# KiCad board ouleetka.kicad_pcb
title: ouleetka; date: 2024-07-26; rev: 0.1; company: nxtk
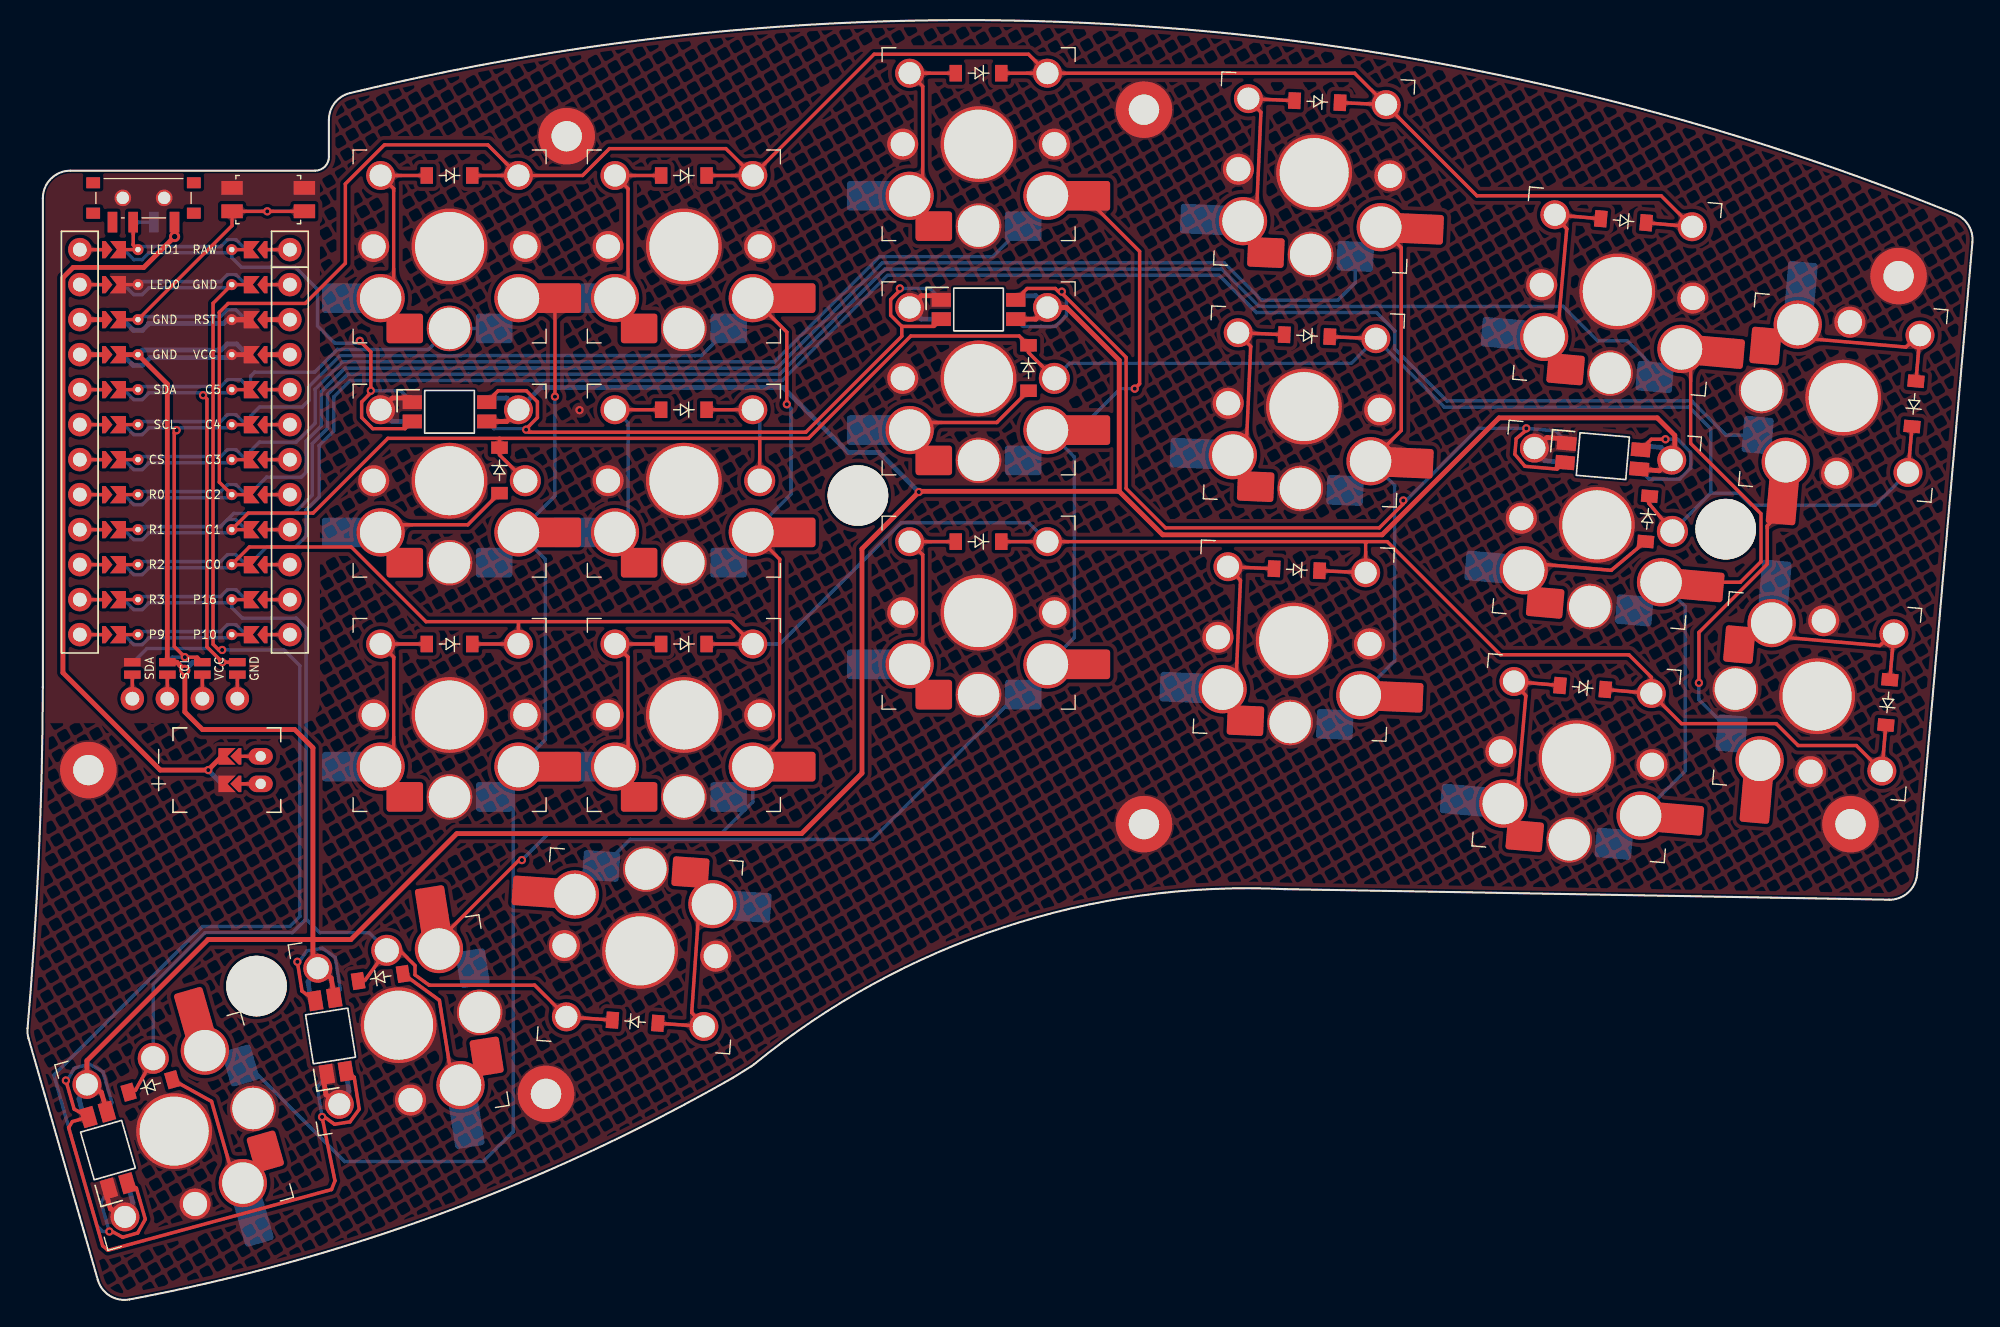
[diagram p0: board, top side]
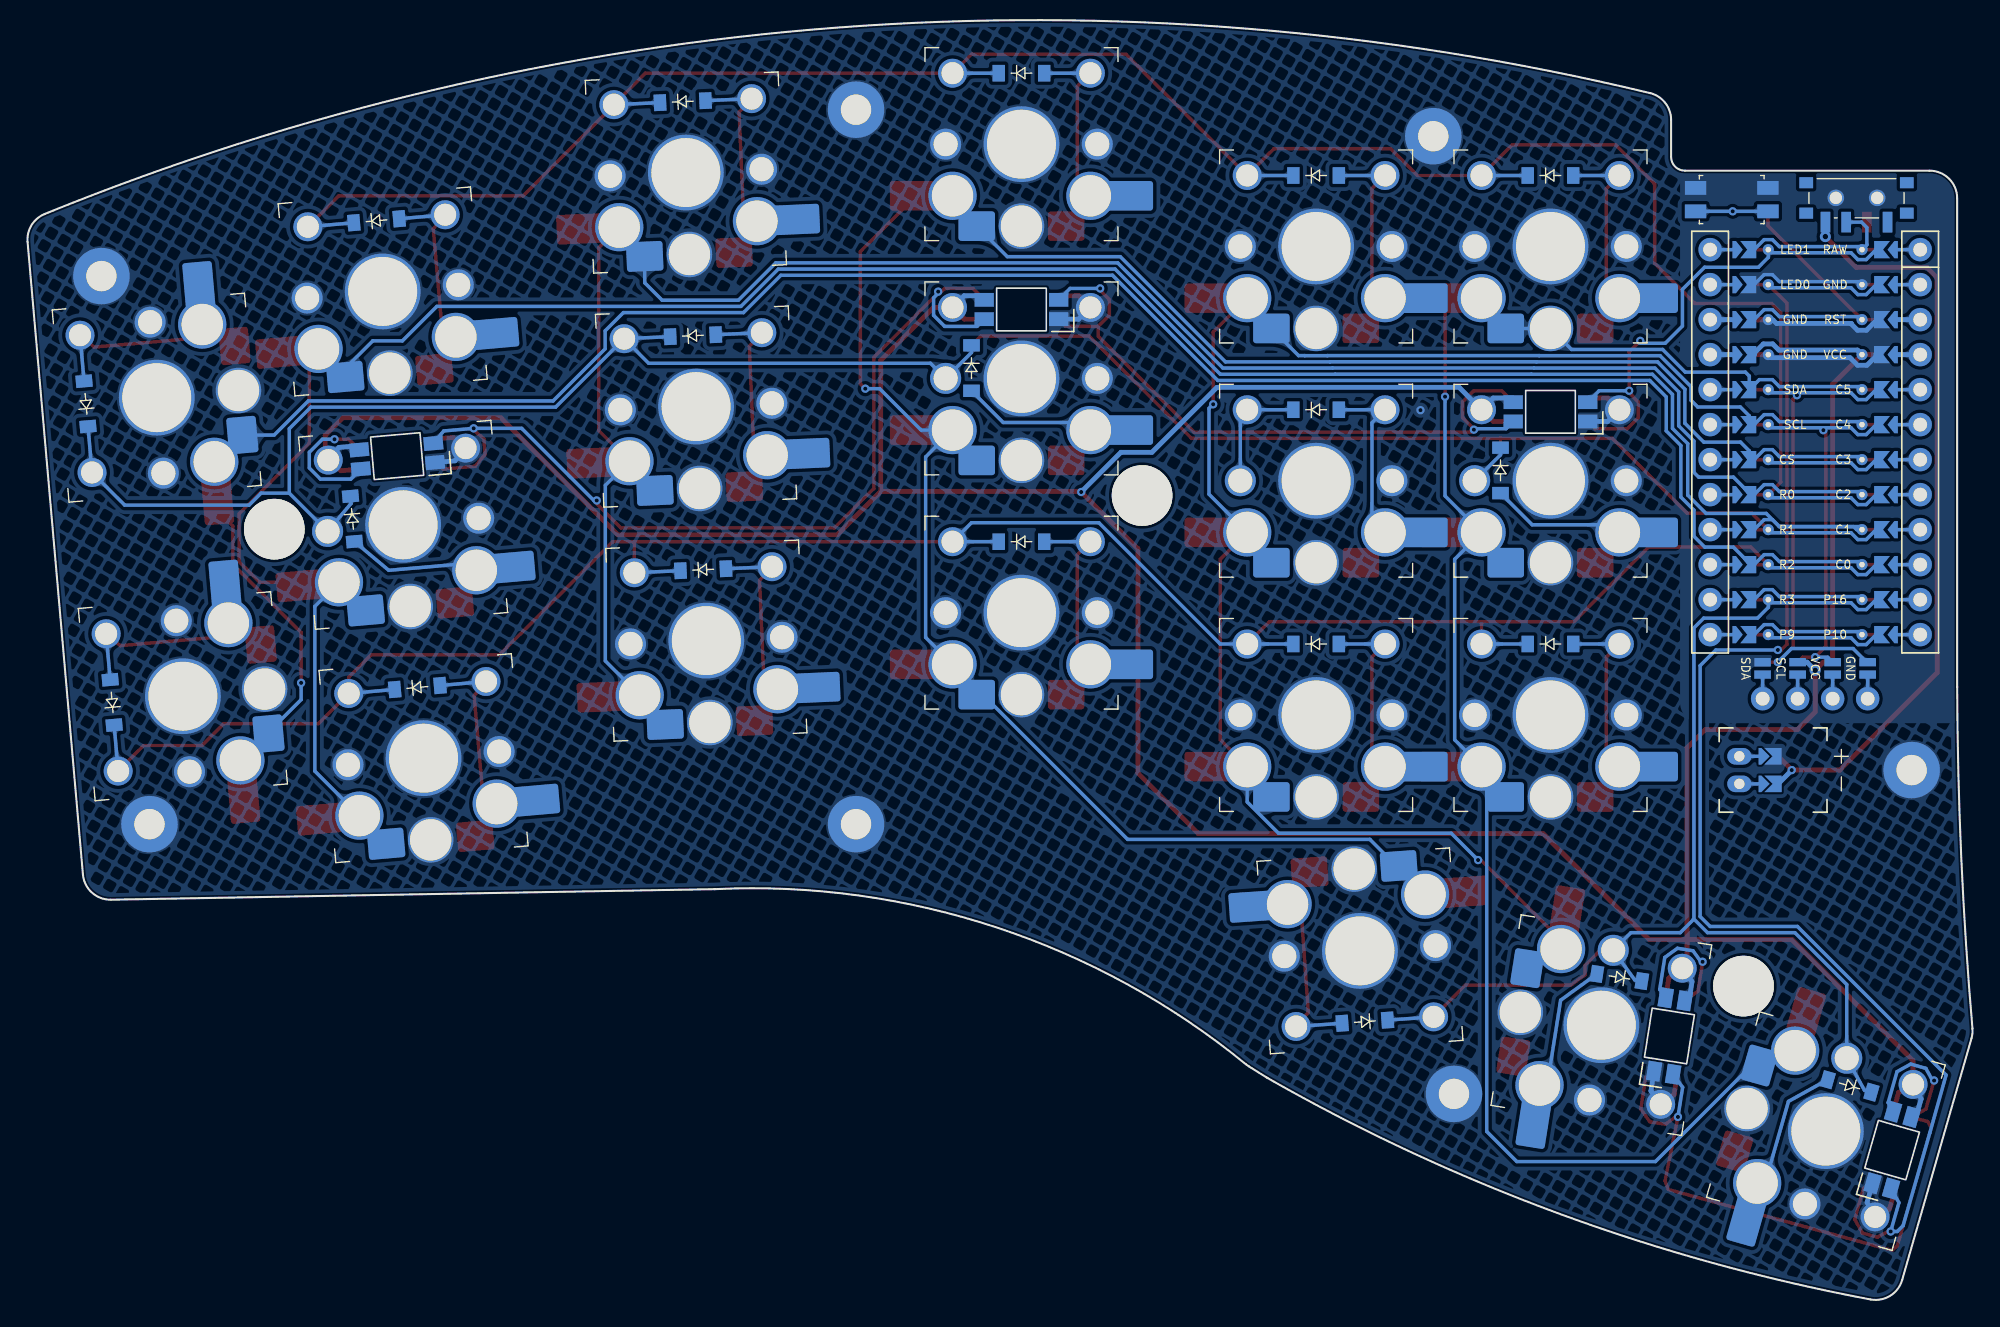
[diagram p1: board, bottom side, seen from below]

Outline 141.1 x 92.88 mm; copper layers: Top, Bottom. Coordinates in mm from the lower left corner of the outline.
Outline path: 91.2,29.81 arc(70.78,27.02) 52.72,17.1 arc(52.62,17.02) 52.51,16.95 51.2,16.13 arc(51.17,16.11) 51.13,16.09 arc(29.94,6.24) 7.4,0.03 arc(5.98,0.29) 5.11,1.44 0.08,18.97 arc(0.01,19.33) 0.01,19.7 arc(0.82,32.06) 1.12,44.45 arc(1.12,44.47) 1.12,44.49 1.12,79.95 arc(1.7,81.36) 3.12,81.95 20.87,81.95 arc(21.58,82.24) 21.87,82.95 21.87,85.63 arc(22.3,86.87) 23.4,87.58 arc(82.32,92.33) 139.85,78.8 arc(140.81,77.99) 141.09,76.77 137.07,30.87 arc(136.42,29.55) 135.05,29.04 91.26,29.8 arc(91.23,29.81) 91.2,29.81
Stack: Top 0.035mm / dielectric 1.51mm FR4 er 4.5 / Bottom 0.035mm

## Placement (name value [footprint] x y rotation side)
D1  -  [diode_tht_sod123]  30.62 47.6 180 top
D2  -  [diode_tht_sod123]  30.62 81.6 180 top
D3  -  [diode_tht_sod123]  47.62 47.6 180 top
D4  -  [diode_tht_sod123]  47.62 64.6 180 top
D5  -  [diode_tht_sod123]  47.62 81.6 180 top
D6  -  [diode_tht_sod123]  68.99 55.02 180 top
D7  -  [diode_tht_sod123]  68.99 89.02 180 top
D8  -  [diode_tht_sod123]  92.08 52.99 177.5 top
D9  -  [diode_tht_sod123]  92.82 69.97 177.5 top
D10  -  [diode_tht_sod123]  93.56 86.96 177.5 top
D11  -  [diode_tht_sod123]  112.82 44.44 175 top
D12  -  [diode_tht_sod123]  115.78 78.31 175 top
D13  -  [diode_tht_sod123]  134.96 43.36 85 top
D14  -  [diode_tht_sod123]  136.85 65.02 85 top
D15  -  [diode_tht_sod123]  44.08 20.19 356 top
D16  -  [diode_tht_sod123]  34.24 60.2 270 top
D17  -  [diode_tht_sod123]  72.62 67.62 270 top
D18  -  [diode_tht_sod123]  117.52 56.68 265 top
D19  -  [diode_tht_sod123]  8.92 15.52 16 top
D20  -  [diode_tht_sod123]  25.62 23.4 9 top
DISP1  -  [display_ssd1306]  11.42 60.33 0 top
JST1  -  [battery_connector_jst_ph_2]  16.92 38.45 270 top
LED1  -  [led_SK6812mini-e (underglow, reversible)]  30.62 64.45 0 bottom
LED2  -  [led_SK6812mini-e (underglow, reversible)]  68.99 71.87 0 bottom
LED3  -  [led_SK6812mini-e (underglow, reversible)]  114.28 61.23 355 bottom
LED4  -  [led_SK6812mini-e (underglow, reversible)]  5.84 10.87 106 bottom
LED5  -  [led_SK6812mini-e (underglow, reversible)]  21.99 19.15 99 bottom
MCU1  -  [mcu_nice_nano]  11.42 63.52 0 top
MH1  -  [mounting_hole_plated]  39.12 84.45 0 top
MH2  -  [mounting_hole_plated]  37.62 14.95 0 top
MH3  -  [mounting_hole_plated]  80.99 86.37 0 top
MH4  -  [mounting_hole_plated]  80.99 34.52 0 top
MH5  -  [mounting_hole_plated]  135.73 74.3 0 top
MH6  -  [mounting_hole_plated]  4.42 38.45 0 top
MH7  -  [mounting_hole_plated]  132.25 34.52 0 top
PWR1  -  [power_switch_smd_side]  8.42 79.95 90 top
RST1  -  [reset_switch_smd_side]  17.47 79.85 0 top
S1  -  [switch_choc_v1_v2#2]  47.62 42.45 180 bottom
S2  -  [switch_choc_v1_v2#2]  47.62 59.45 180 bottom
S3  -  [switch_choc_v1_v2#2]  47.62 76.45 180 bottom
S4  -  [switch_choc_v1_v2#2]  112.37 39.31 175 bottom
S5  -  [switch_choc_v1_v2#2]  115.33 73.18 175 bottom
S6  -  [switch_choc_v1_v2]  30.62 42.45 180 bottom
S7  -  [switch_choc_v1_v2]  30.62 76.45 180 bottom
S8  -  [switch_choc_v1_v2]  44.44 25.33 356 bottom
S9  -  [switch_choc_v1_v2]  30.62 59.45 180 bottom
S10  -  [switch_choc_v1_v2]  113.85 56.25 175 bottom
S11  -  [switch_choc_v1_v2#2]  68.99 49.87 180 bottom
S12  -  [switch_choc_v1_v2#2]  68.99 83.87 180 bottom
S13  -  [switch_choc_v1_v2#2]  91.86 47.84 177.5 bottom
S14  -  [switch_choc_v1_v2#2]  92.6 64.83 177.5 bottom
S15  -  [switch_choc_v1_v2#2]  93.34 81.81 177.5 bottom
S16  -  [switch_choc_v1_v2#2]  129.82 43.81 85 bottom
S17  -  [switch_choc_v1_v2#2]  131.72 65.47 85 bottom
S18  -  [switch_choc_v1_v2#2]  68.99 66.87 180 bottom
S19  -  [switch_choc_v1_v2#3]  10.64 12.25 286 bottom
S20  -  [switch_choc_v1_v2#4]  26.93 19.93 279 bottom
SH1  -  [mounting_hole_npth]  16.62 22.77 0 top
SH2  -  [mounting_hole_npth]  60.24 58.37 0 top
SH3  -  [mounting_hole_npth]  123.19 55.93 355 top

## Library data of the parts
PWR1 = -: Field4: PWR1

## Footprints (pads in the part's own frame, mm; a bottom-side part is the same pattern mirrored in y, then rotated)
battery_connector_jst_ph_2
  custom 1.2x1.25 smd: 1(-1,-2.816) 2(1,-2.816)
  custom 1.2x1.25 smd far side: 1(1,-2.816) 2(-1,-2.816)
  oval 1.2x1.75 hole 0.75: 11(-1,0) 12(1,0)
  custom 1.2x0.8 smd: 21(-1,-1.8) 22(1,-1.8)
  custom 1.2x0.8 smd far side: 31(-1,-1.8) 32(1,-1.8)
diode_tht_sod123
  rect 0.9x1.2 smd: 1(-1.65,0) 2(1.65,0)
  rect 0.9x1.2 smd far side: 1(-1.65,0) 2(1.65,0)
display_ssd1306
  oval 1.7x1.7 hole 1: 1(-3.81,-16.7) 2(-1.27,-16.7) 3(1.27,-16.7) 4(3.81,-16.7)
  rect 1.2x0.6 smd: 10(-3.81,-14.95) 11(-1.27,-14.95) 12(1.27,-14.95) 13(3.81,-14.95) 14(-3.81,-14.05) 15(-1.27,-14.05) 16(1.27,-14.05) 17(3.81,-14.05)
  rect 1.2x0.6 smd far side: 20(3.81,-14.95) 21(1.27,-14.95) 22(-1.27,-14.95) 23(-3.81,-14.95) 24(3.81,-14.05) 25(1.27,-14.05) 26(-1.27,-14.05) 27(-3.81,-14.05)
led_SK6812mini-e (underglow, reversible)
  rect 1.4x1 smd: 1(2.7,-0.7) 2(2.7,0.7) 3(-2.7,0.7) 4(-2.7,-0.7)
  rect 1.4x1 smd far side: 1(2.7,0.7) 2(2.7,-0.7) 3(-2.7,-0.7) 4(-2.7,0.7)
mcu_nice_nano
  custom 0.75x1.25 smd: (-5.5,12.7) (-5.5,10.16) (-5.5,7.62) (-5.5,5.08) (-5.5,2.54) (-5.5,0) (-5.5,-2.54) (-5.5,-5.08) (-5.5,-7.62) (-5.5,-10.16) (-5.5,-12.7) (-5.5,-15.24) (5.5,12.7) (5.5,10.16) (5.5,7.62) (5.5,5.08) (5.5,2.54) (5.5,0) (5.5,-2.54) (5.5,-5.08) (5.5,-7.62) (5.5,-10.16) (5.5,-12.7) (5.5,-15.24)
  custom 0.75x1.25 smd far side: (-5.5,12.7) (-5.5,10.16) (-5.5,7.62) (-5.5,5.08) (-5.5,2.54) (-5.5,0) (-5.5,-2.54) (-5.5,-5.08) (-5.5,-7.62) (-5.5,-10.16) (-5.5,-12.7) (-5.5,-15.24) (5.5,12.7) (5.5,10.16) (5.5,7.62) (5.5,5.08) (5.5,2.54) (5.5,0) (5.5,-2.54) (5.5,-5.08) (5.5,-7.62) (5.5,-10.16) (5.5,-12.7) (5.5,-15.24)
  custom 1.15x1.25 smd: (-4.775,12.7) (-4.775,10.16) (-4.775,7.62) (-4.775,5.08) (-4.775,2.54) (-4.775,0) (-4.775,-2.54) (-4.775,-5.08) (-4.775,-7.62) (-4.775,-10.16) (-4.775,-12.7) (-4.775,-15.24) (4.775,12.7) (4.775,10.16) (4.775,7.62) (4.775,5.08) (4.775,2.54) (4.775,0) (4.775,-2.54) (4.775,-5.08) (4.775,-7.62) (4.775,-10.16) (4.775,-12.7) (4.775,-15.24)
  custom 1.15x1.25 smd far side: (-4.775,12.7) (-4.775,10.16) (-4.775,7.62) (-4.775,5.08) (-4.775,2.54) (-4.775,0) (-4.775,-2.54) (-4.775,-5.08) (-4.775,-7.62) (-4.775,-10.16) (-4.775,-12.7) (-4.775,-15.24) (4.775,12.7) (4.775,10.16) (4.775,7.62) (4.775,5.08) (4.775,2.54) (4.775,0) (4.775,-2.54) (4.775,-5.08) (4.775,-7.62) (4.775,-10.16) (4.775,-12.7) (4.775,-15.24)
  round 0.8 hole 0.4: 1(3.4,12.7) 2(3.4,10.16) 3(3.4,7.62) 4(3.4,5.08) 5(3.4,2.54) 6(3.4,0) 7(3.4,-2.54) 8(3.4,-5.08) 9(3.4,-7.62) 10(3.4,-10.16) 11(3.4,-12.7) 12(3.4,-15.24) 13(-3.4,-15.24) 14(-3.4,-12.7) 15(-3.4,-10.16) 16(-3.4,-7.62) 17(-3.4,-5.08) 18(-3.4,-2.54) 19(-3.4,0) 20(-3.4,2.54) 21(-3.4,5.08) 22(-3.4,7.62) 23(-3.4,10.16) 24(-3.4,12.7)
  round 1.7 hole 1: 1(7.62,12.7) 2(7.62,10.16) 3(7.62,7.62) 4(7.62,5.08) 5(7.62,2.54) 6(7.62,0) 7(7.62,-2.54) 8(7.62,-5.08) 9(7.62,-7.62) 10(7.62,-10.16) 11(7.62,-12.7) 12(7.62,-15.24) 13(-7.62,-15.24) 14(-7.62,-12.7) 15(-7.62,-10.16) 16(-7.62,-7.62) 17(-7.62,-5.08) 18(-7.62,-2.54) 19(-7.62,0) 20(-7.62,2.54) 21(-7.62,5.08) 22(-7.62,7.62) 23(-7.62,10.16) 24(-7.62,12.7)
mounting_hole_npth
  round 4.4 hole 4.4 unplated: (0,0)
mounting_hole_plated
  round 4.1 hole 2.2: (0,0)
power_switch_smd_side
  rect 0.8x1 smd: (-1.085,3.65) (-1.085,-3.65) (1.125,3.65) (1.125,-3.65)
  rect 0.8x1 smd far side: (-1.085,3.65) (-1.085,-3.65) (1.125,3.65) (1.125,-3.65)
  round 0.9 hole 0.9: (0.025,1.5) (0.025,-1.5)
  rect 1.5x0.7 smd far side: 1(-1.735,2.25) 2(-1.735,-0.75) 3(-1.735,-2.25)
  rect 1.5x0.7 smd: 1(-1.735,-2.25) 2(-1.735,0.75) 3(-1.735,2.25)
reset_switch_smd_side
  rect 1.55x1 smd far side: 1(-2.625,0.85) 2(-2.625,-0.85) 3(2.625,0.85) 4(2.625,-0.85)
  rect 1.55x1 smd: 1(2.625,0.85) 2(2.625,-0.85) 3(-2.625,0.85) 4(-2.625,-0.85)
switch_choc_v1_v2
  rrect 2.6x2.15 smd: (-8.248,-3.75)
  round 2.25 hole 1.75: (-5.5,0) (5.5,0)
  round 2.1 hole 1.6: (-5,5.15) (5,5.15)
  round 3.3 hole 3: (0,-5.95)
  round 5.5 hole 5: (0,0)
  rrect 2.3x2.15 smd: (8.098,-3.75)
  rrect 3.8x2.15 smd far side: 1(-7.647,-3.75)
  round 3.5 hole 3: 1(-5,-3.75) 2(5,-3.75)
  rrect 2.65x2.15 smd: 1(-3.245,-5.95)
  rrect 2.65x2.15 smd far side: 2(3.245,-5.95)
  rrect 3.5x2.15 smd: 2(7.497,-3.75)
switch_choc_v1_v2#2
  rrect 2.6x2.15 smd: (-8.248,-3.75) (8.248,-3.75)
  round 2.25 hole 1.75: (-5.5,0) (5.5,0)
  round 2.1 hole 1.6: (-5,5.15) (5,5.15)
  round 3.3 hole 3: (0,-5.95)
  round 5.5 hole 5: (0,0)
  rrect 3.8x2.15 smd far side: 1(-7.647,-3.75)
  round 3.5 hole 3: 1(-5,-3.75) 2(5,-3.75)
  rrect 2.65x2.15 smd: 1(-3.245,-5.95)
  rrect 2.65x2.15 smd far side: 2(3.245,-5.95)
  rrect 3.8x2.15 smd: 2(7.647,-3.75)
switch_choc_v1_v2#3
  rrect 2.6x2.15 smd: (-8.248,-3.75) (8.248,-3.75)
  round 2.25 hole 1.75: (-5.5,0) (5.5,0)
  round 2.1 hole 1.6: (-5,5.15) (5,5.15)
  round 3.3 hole 3: (0,-5.95)
  round 5.5 hole 5: (0,0)
  rrect 3.8x2.15 smd far side: 1(-7.647,-3.75)
  round 3.5 hole 3: 1(-5,-3.75) 2(5,-3.75)
  rrect 2.65x2.15 smd: 1(-3.245,-5.95)
  rrect 2.65x2.15 smd far side: 2(3.245,-5.95)
  rrect 3.8x2.15 smd: 2(7.647,-3.75)
switch_choc_v1_v2#4
  rrect 2.6x2.15 smd: (-8.248,-3.75) (8.248,-3.75)
  round 2.25 hole 1.75: (-5.5,0) (5.5,0)
  round 2.1 hole 1.6: (-5,5.15) (5,5.15)
  round 3.3 hole 3: (0,-5.95)
  round 5.5 hole 5: (0,0)
  rrect 3.8x2.15 smd far side: 1(-7.647,-3.75)
  round 3.5 hole 3: 1(-5,-3.75) 2(5,-3.75)
  rrect 2.65x2.15 smd: 1(-3.245,-5.95)
  rrect 2.65x2.15 smd far side: 2(3.245,-5.95)
  rrect 3.8x2.15 smd: 2(7.647,-3.75)

## Nets
GND: DISP1.14 DISP1.24 JST1.2 LED1.3 LED2.3 LED3.3 LED4.3 LED5.3 MH1. MH2. MH3. MH4. MH5. MH6. MH7. PWR1. RST1.1 RST1.3
GND|MCU1_3: MCU1.3
GND|MCU1_4: MCU1.4
GND|MCU1_23: MCU1.23
GND|R0|R0S: S3. S5. S12. S15.
GND|R1|R1S: S2. S14. S17.
GND|R1|VCC: S9. S10. S18.
GND|R2|R2S: S1. S4. S6. S11. S13. S16.
GND|R3|R3S: S8.
GND|R3|VCC: S19. S20.
VCC: DISP1.15 DISP1.25 LED1.1 LED2.1 LED3.1 LED4.1 LED5.1
BAT_P: JST1.1 PWR1.1 PWR1.3
C0: S16.1 S17.1
C0|C1|C2|C3|C4|C5|CS|GND|LED0|LED1|MCU1_1|MCU1_10|MCU1_11|MCU1_12|MCU1_13|MCU1_14|MCU1_15|MCU1_16|MCU1_17|MCU1_18|MCU1_19|MCU1_2|MCU1_20|MCU1_21|MCU1_22|MCU1_23|MCU1_24|MCU1_3|MCU1_4|MCU1_5|MCU1_6|MCU1_7|MCU1_8|MCU1_9|P10|P16|P9|R0|R1|R2|R3|RAW|RST|SCL|SDA|VCC: MCU1.
C0|MCU1_15: MCU1.15
C1: S4.1 S5.1 S10.1
C1|MCU1_16: MCU1.16
C2: S13.1 S14.1 S15.1
C2|MCU1_17: MCU1.17
C3: S8.1 S11.1 S12.1 S18.1
C3|MCU1_18: MCU1.18
C4: S1.1 S2.1 S3.1 S20.1
C4|MCU1_19: MCU1.19
C5: S6.1 S7.1 S9.1 S19.1
C5|GND|R0|R0S: S7.
C5|MCU1_20: MCU1.20
CS|MCU1_7: MCU1.7
DISP1_1: DISP1.1 DISP1.10 DISP1.23
DISP1_2: DISP1.2 DISP1.11 DISP1.22
DISP1_3: DISP1.3 DISP1.12 DISP1.21
DISP1_4: DISP1.4 DISP1.13 DISP1.20
JST1_1: JST1.11 JST1.21 JST1.31
JST1_2: JST1.12 JST1.22 JST1.32
LED0: LED4.4
LED0_1: LED4.2 LED5.4
LED0_2: LED5.2
LED0|MCU1_2: MCU1.2
LED1: LED1.4
LED1_1: LED1.2 LED2.4
LED1_2: LED2.2 LED3.4
LED1_3: LED3.2
LED1|MCU1_1: MCU1.1
MCU1_5|SDA: MCU1.5
MCU1_6|SCL: MCU1.6
MCU1_8|R0: MCU1.8
MCU1_9|R1: MCU1.9
MCU1_10|R2: MCU1.10
MCU1_11|R3: MCU1.11
MCU1_12|P9: MCU1.12
MCU1_13|P10: MCU1.13
MCU1_14|P16: MCU1.14
MCU1_21|VCC: MCU1.21
MCU1_22|RST: MCU1.22
MCU1_24|RAW: MCU1.24
R0: D2.1 D5.1 D7.1 D10.1 D12.1
R0S: D2.2 D5.2 D7.2 D10.2 D12.2 S3.2 S5.2 S7.2 S12.2 S15.2
R1: D4.1 D9.1 D14.1 D16.1 D17.1 D18.1
R1S: D4.2 D9.2 D14.2 D16.2 D17.2 D18.2 S2.2 S9.2 S10.2 S14.2 S17.2 S18.2
R2: D1.1 D3.1 D6.1 D8.1 D11.1 D13.1
R2S: D1.2 D3.2 D6.2 D8.2 D11.2 D13.2 S1.2 S4.2 S6.2 S11.2 S13.2 S16.2
R3: D15.1 D19.1 D20.1
R3S: D15.2 D19.2 D20.2 S8.2 S19.2 S20.2
RAW: PWR1.2
RST: RST1.2 RST1.4
SCL: DISP1.16 DISP1.26
SDA: DISP1.17 DISP1.27

## Via types
v1: diameter 0.6, hole 0.3, Top to Bottom, 26 vias
v2: diameter 0.8, hole 0.4, Top to Bottom, 2 vias

## Routing (per net, layer and track width the routed paths; a pad name or vN(x,y) marks a point on that pad's centre or on a via; arc(x,y) is an arc through that point)
GND: length 56.1
  Top w0.25: 6.64,73.68 8.02,73.68
  Top w0.35: 66.29,72.87 64.84,72.87 63.99,72.02 ; 7.07,6.02 6.02,6.6 5.62,8 ; 22.62,14.19 21.65,14.9 21.42,16.33 ; 111.68,62.46 110.24,62.59 109.32,61.81 ; 16.19,68.6 14.82,68.6 ; 25.62,64.6 26.47,65.45 27.92,65.45
  Top w0.4: 16.19,71.14 14.82,71.14
  Bottom w0.25: 8.24,73.9 14.01,73.9 14.52,74.4 15.12,74.4 15.84,73.68
  Bottom w0.35: LED5.3 23.33,15.16 22.62,14.19 ; 63.99,72.02 64.84,71.17 LED2.3 ; LED1.3 26.47,63.75 25.62,64.6 ; 14.79,71.11 14.47,71.11 14.22,70.86 8.79,70.86 8.79,70.82 8.34,70.36 7.7,70.36 6.92,71.14 6.64,71.14 ; 7.07,6.02 7.65,7.07 LED4.3 ; LED3.3 110.09,60.89 109.32,61.81 ; 14.82,68.6 14.6,68.38 8.89,68.38 8.34,67.82 7.66,67.82 6.99,68.49
  Bottom w0.4: 6.99,68.6 6.99,68.49
  vias: v1(40.05,64.57)
VCC: length 291.3
  Top w0.35: 20.71,24.42 20.71,40.07 19.39,41.39 12.7,41.39 11.42,42.67 v2(11.42,45.69) 10.83,46.28 DISP1.15 10.15,66.47 8.02,68.6 6.64,68.6 ; 79.2,58.68 79.2,68.19 75.37,72.02 73.99,72.02 73.14,71.17 LED2.1 ; 79.2,58.68 64.71,58.68 v1(64.66,58.63) 60.54,54.51 60.54,38.22 56.16,33.84 31.15,33.84 23.46,26.15 13.1,26.15 4.32,17.36 4.32,15.63 5.37,15.05 LED4.1 ; 79.2,58.68 82.35,55.52 98.27,55.52 106.75,64.01 118.23,64.01 119.5,62.73 119.5,61.16 ; 119.28,60.94 118.36,60.17 LED3.1 ; LED5.1 22.03,23.36 21.06,24.07 ; 35.62,64.6 34.77,63.75 LED1.1
  Bottom w0.35: 15.84,68.7 15.18,69.37 14.5,69.37 14.05,68.93 8.35,68.93 8.02,68.6 ; 4.13,13.19 3.73,14.58 4.32,15.63 ; 20.58,21.66 20.35,23.09 21.06,24.07 ; v1(64.66,58.63) 61.78,61.51 59.53,61.51 54.81,66.22 37.24,66.22 35.62,64.6 34.77,65.45 33.32,65.45 ; 73.99,72.02 73.14,72.87 71.69,72.87 ; DISP1.25 12.01,46.28 v2(11.42,45.69) ; 119.28,60.94 118.51,61.86 117.06,61.99
  Bottom w0.4: 15.84,68.6 15.84,68.7
BAT_P: length 55.4
  Top w0.35: v1(13.12,38.45) 9.64,38.45 2.57,45.51 2.57,74.18 3.32,74.93 8.44,74.93 v2(10.68,77.16) 10.68,77.73 ; 13.12,38.46 JST1.1
  Top w0.4: v1(13.12,38.45) 13.12,38.46
  Bottom w0.35: 13.12,38.43 JST1.1 ; v2(10.68,77.16) 10.68,77.73
  Bottom w0.4: v1(13.12,38.45) 13.12,38.43
C0: length 164
  Top w0.25: 6.64,53.36 8.02,53.36 ; 121.25,44.68 v1(121.25,44.78) 121.25,48.44 126.2,53.39 126.2,56.16 127.55,57.51 S17.1
  Bottom w0.25: 8.24,53.58 14.01,53.58 14.52,54.08 15.12,54.08 15.84,53.36 ; v1(121.25,44.78) 121.25,43.56 S16.1 ; 16.19,53.47 17.35,54.63 19.43,54.63 20.21,55.41 20.21,57.31 21.16,58.26 21.16,62 22.22,63.06 22.22,65.53 23.41,66.72 54.75,66.72 62.39,74.36 86.45,74.36 89.16,71.65 97.87,71.65 99.19,70.32 99.19,69.01 102.97,65.24 120.73,65.24 123.2,62.76 S17.1
C1: length 177.7
  Top w0.25: S10.1 124.25,52.07 125.75,53.57 125.75,57.06 120.65,62.15 120.65,68.34 ; 6.64,55.9 8.02,55.9
  Bottom w0.25: 14.01,56.12 14.52,56.62 15.12,56.62 15.84,55.9 ; 14.01,56.12 14.97,57.07 19.34,57.07 20.66,58.4 20.66,62.14 21.77,63.24 21.77,65.71 23.23,67.17 32,67.17 32,67.18 46.24,67.18 46.24,67.17 54.57,67.17 62.2,74.81 86.63,74.81 89.34,72.1 111.4,72.1 113.9,69.6 116.05,69.6 118.04,67.6 ; 14.01,56.12 8.24,56.12 ; 14.01,56.12 8.63,56.12 8.41,55.9 8.02,55.9 ; S10.1 120.25,50.32 120.25,38.37 S4.1
C2: length 140.1
  Top w0.25: S15.1 99.66,76.36 99.66,63.09 S14.1 ; 6.64,58.44 8.02,58.44
  Bottom w0.25: 8.24,58.66 14.01,58.66 14.52,59.16 15.12,59.16 15.84,58.44 ; S13.1 99.18,46.37 99.18,59.11 S14.1 ; S15.1 96.32,73.81 95.06,72.55 89.53,72.55 86.82,75.26 62.02,75.26 54.38,67.62 46.43,67.62 46.42,67.63 31.81,67.63 31.81,67.62 23.04,67.62 21.32,65.9 21.32,63.43 20.21,62.32 20.21,60.05 19.87,59.71 17.35,59.71 16.19,58.55
C3: length 157.6
  Top w0.25: v1(80.32,66.13) 80.68,66.48 80.68,76.08 S12.1 ; 6.64,60.98 8.02,60.98
  Bottom w0.25: 15.84,60.98 15.12,61.7 14.52,61.7 14.01,61.2 8.24,61.2 ; 16.19,60.98 16.19,61.61 16.83,62.25 19.5,62.25 20.87,63.62 20.87,66.09 22.85,68.07 31.62,68.07 31.63,68.08 46.61,68.08 46.61,68.07 54.19,68.07 61.83,75.71 70.02,75.71 S12.1 ; S8.1 43.72,33.42 61.29,33.42 S11.1 75.94,48.07 75.94,61.17 S18.1 76.27,63.12 79.28,66.13 v1(80.32,66.13)
C4: length 115.4
  Top w0.25: S3.1 55.09,70.23 v1(55.09,64.99) ; S1.1 54.57,40.65 54.57,53.75 S2.1 ; 6.64,63.52 8.02,63.52 ; 29.85,26.1 35.67,31.92 v1(35.87,31.92)
  Bottom w0.25: S2.1 55.39,58.47 55.39,64.69 v1(55.09,64.99) ; 16.19,63.52 16.19,64.15 16.84,64.8 19.94,64.8 20.42,65.28 20.42,66.27 22.67,68.52 31.44,68.52 31.44,68.53 46.8,68.53 46.8,68.52 48.44,68.52 48.44,68.53 48.89,68.53 S3.1 ; 8.24,63.74 14.01,63.74 14.52,64.24 15.12,64.24 15.84,63.52 ; S1.1 52.62,36.14 50.35,33.87 37.82,33.87 v1(35.87,31.92)
C5: length 115.7
  Top w0.25: 6.64,66.06 8.02,66.06 ; v1(38.27,65.55) S7.1
  Bottom w0.25: S7.1 30.62,70.5 29.09,68.97 22.48,68.97 20.84,67.33 16.48,67.33 16.19,67.04 16.19,66.06 15.47,66.78 14.52,66.78 14.01,66.28 8.24,66.28 ; 16.04,17.01 23.01,10.04 33.06,10.04 35.24,12.22 35.24,38.32 ; S6.1 37.57,40.65 37.57,53.75 S9.1 38.27,58.34 v1(38.27,65.55)
CS: length 9.5
  Top w0.25: 16.19,60.98 14.82,60.98
  Bottom w0.25: 6.99,60.98 7.72,60.25 8.32,60.25 8.81,60.75 14.59,60.75
DISP1_1: length 3.5
  Top w0.25: DISP1.1 DISP1.10
  Bottom w0.25: DISP1.1 DISP1.10
DISP1_2: length 3.5
  Top w0.25: DISP1.2 DISP1.11
  Bottom w0.25: DISP1.2 DISP1.11
DISP1_3: length 3.5
  Top w0.25: DISP1.3 DISP1.12
  Bottom w0.25: DISP1.3 DISP1.12
DISP1_4: length 3.5
  Top w0.25: DISP1.4 DISP1.13
  Bottom w0.25: DISP1.4 DISP1.13
JST1_1: length 3.6
  Top w0.25: JST1.21 JST1.11
  Bottom w0.25: JST1.21 JST1.11
JST1_2: length 3.6
  Top w0.25: JST1.22 JST1.12
  Bottom w0.25: JST1.22 JST1.12
LED0: length 106.1
  Top w0.25: LED4.4 7.9,8.11 8.55,5.85 8,4.86 6.9,4.54 6.08,5 v1(5.94,4.96) ; 16.19,73.68 14.82,73.68 13.47,72.33 13.47,47.57 13.88,47.16 v1(14.13,47.16)
  Bottom w0.25: LED4.4 5.34,7.05 v1(5.94,4.96) 5.47,4.96 5.04,5.39 3.1,12.13 1.92,16.32 12.7,27.1 19.04,27.1 19.76,27.82 19.76,46.02 18.62,47.16 v1(14.13,47.16) ; 6.99,73.68 7.72,72.95 8.32,72.95 8.81,73.45 14.59,73.45
LED0_1: length 53
  Top w0.25: LED5.4 23.7,16.16 24.07,13.84 23.4,12.92 22.28,12.74 21.51,13.3 v1(21.37,13.27) 22.31,8.64 22.06,8.01 5.84,3.6 5.46,3.93 2.99,12.5 3.26,12.94 LED4.2 3.39,13.84 v1(2.79,15.92)
  Bottom w0.25: LED4.2 6.13,14.31 5.48,16.56 4.48,17.11 3.39,16.8 2.92,15.95 v1(2.79,15.92) ; v1(21.37,13.27) 21.03,15.43 LED5.4
LED0_2: length 9.8
  Top w0.25: v1(19.58,24.53) 19.92,22.4 LED5.2
  Bottom w0.25: LED5.2 22.7,22.53 22.33,24.84 21.41,25.51 20.28,25.34 19.72,24.56 v1(19.58,24.53)
LED1: length 37.3
  Top w0.25: LED1.4 27.39,63.22 25.05,63.22 24.24,64.03 24.24,65.17 24.91,65.83 v1(24.91,65.98) 24.91,68.79 v1(24.11,69.6) ; 16.19,76.22 14.82,76.22
  Bottom w0.25: v1(24.11,69.6) 23.93,69.42 22.3,69.42 21.05,70.67 21.05,73.33 19.44,74.94 15.53,74.94 14.82,75.65 14.82,76.22 ; LED1.4 27.09,65.98 v1(24.91,65.98) ; 14.59,75.99 8.81,75.99 8.32,75.49 7.72,75.49 6.99,76.22
LED1_1: length 50.5
  Top w0.25: 63.42,70.65 62.62,71.45 62.62,72.59 63.29,73.26 v1(63.29,73.4) ; 63.42,70.65 63.42,69.93 56.47,62.97 36.36,62.97 v1(36.18,63.15) 36.18,63.21 36.99,64.03 36.99,65.17 36.19,65.97 34.14,65.97 LED1.2 ; 63.42,70.65 65.77,70.65 LED2.4
  Bottom w0.25: v1(36.18,63.15) 36.11,63.22 33.84,63.22 LED1.2 ; LED2.4 65.46,73.4 v1(63.29,73.4)
LED1_2: length 69.2
  Top w0.25: LED3.4 110.96,60.29 108.63,60.49 107.9,61.36 108,62.5 108.72,63.11 v1(108.73,63.25) ; LED2.2 72.52,73.4 74.56,73.4 74.79,73.17 v1(75.04,73.17) 75.04,73.06 79.7,68.4 79.7,58.88 82.56,56.02 98.06,56.02 99.8,57.76 v1(99.8,58.01)
  Bottom w0.25: LED3.4 110.9,63.06 v1(108.73,63.25) 105.25,63.25 100.01,58.01 v1(99.8,58.01) ; v1(75.04,73.17) 75.04,73.05 75.37,72.72 75.37,71.45 74.56,70.65 72.22,70.65 LED2.2
LED1_3: length 9.8
  Top w0.25: LED3.2 117.8,62.46 v1(118.83,62.46)
  Bottom w0.25: LED3.2 117.64,59.57 119.85,59.57 120.65,60.37 120.65,61.51 119.71,62.46 v1(118.83,62.46)
MCU1_1: length 4.2
  Top w0.25: 16.92,76.22 19.04,76.22
  Bottom w0.25: 19.04,76.22 16.92,76.22
MCU1_2: length 4.2
  Top w0.25: 16.92,73.68 19.04,73.68
  Bottom w0.25: 19.04,73.68 16.92,73.68
MCU1_3: length 4.2
  Top w0.35: 16.92,71.14 19.04,71.14
  Bottom w0.35: 19.04,71.14 16.92,71.14
MCU1_4: length 4.2
  Top w0.35: 16.92,68.6 19.04,68.6
  Bottom w0.35: 19.04,68.6 16.92,68.6
MCU1_5: length 4.2
  Top w0.25: 16.92,66.06 19.04,66.06
  Bottom w0.25: 19.04,66.06 16.92,66.06
MCU1_6: length 4.2
  Top w0.25: 16.92,63.52 19.04,63.52
  Bottom w0.25: 19.04,63.52 16.92,63.52
MCU1_7: length 4.2
  Top w0.25: 16.92,60.98 19.04,60.98
  Bottom w0.25: 19.04,60.98 16.92,60.98
MCU1_8: length 4.2
  Top w0.25: 16.92,58.44 19.04,58.44
  Bottom w0.25: 19.04,58.44 16.92,58.44
MCU1_9: length 4.2
  Top w0.25: 16.92,55.9 19.04,55.9
  Bottom w0.25: 19.04,55.9 16.92,55.9
MCU1_10: length 4.2
  Top w0.25: 16.92,53.36 19.04,53.36
  Bottom w0.25: 19.04,53.36 16.92,53.36
MCU1_11: length 4.2
  Top w0.25: 16.92,50.82 19.04,50.82
  Bottom w0.25: 19.04,50.82 16.92,50.82
MCU1_12: length 4.2
  Top w0.25: 16.92,48.28 19.04,48.28
  Bottom w0.25: 19.04,48.28 16.92,48.28
MCU1_13: length 4.2
  Top w0.25: 3.8,48.28 5.92,48.28
  Bottom w0.25: 3.8,48.28 5.92,48.28
MCU1_14: length 4.2
  Top w0.25: 3.8,50.82 5.92,50.82
  Bottom w0.25: 3.8,50.82 5.92,50.82
MCU1_15: length 4.2
  Top w0.25: 3.8,53.36 5.92,53.36
  Bottom w0.25: 3.8,53.36 5.92,53.36
MCU1_16: length 4.2
  Top w0.25: 3.8,55.9 5.92,55.9
  Bottom w0.25: 3.8,55.9 5.92,55.9
MCU1_17: length 4.2
  Top w0.25: 3.8,58.44 5.92,58.44
  Bottom w0.25: 3.8,58.44 5.92,58.44
MCU1_18: length 4.2
  Top w0.25: 3.8,60.98 5.92,60.98
  Bottom w0.25: 3.8,60.98 5.92,60.98
MCU1_19: length 4.2
  Top w0.25: 3.8,63.52 5.92,63.52
  Bottom w0.25: 3.8,63.52 5.92,63.52
MCU1_20: length 4.2
  Top w0.25: 3.8,66.06 5.92,66.06
  Bottom w0.25: 3.8,66.06 5.92,66.06
MCU1_21: length 4.2
  Top w0.35: 5.92,68.6 3.8,68.6
  Bottom w0.35: 3.8,68.6 5.92,68.6
MCU1_22: length 4.2
  Top w0.35: 3.8,71.14 5.92,71.14
  Bottom w0.35: 3.8,71.14 5.92,71.14
MCU1_23: length 4.2
  Top w0.25: 3.8,73.68 5.92,73.68
  Bottom w0.25: 3.8,73.68 5.92,73.68
MCU1_24: length 4.2
  Top w0.25: 3.8,76.22 5.92,76.22
  Bottom w0.25: 3.8,76.22 5.92,76.22
P9: length 9.5
  Top w0.25: 16.19,48.28 14.82,48.28
  Bottom w0.25: 6.99,48.28 7.72,47.55 8.32,47.55 8.81,48.05 14.59,48.05
P10: length 9.5
  Top w0.25: 6.64,48.28 8.02,48.28
  Bottom w0.25: 15.84,48.28 15.12,49 14.52,49 14.01,48.5 8.24,48.5
P16: length 9.5
  Top w0.25: 6.64,50.82 8.02,50.82
  Bottom w0.25: 8.24,51.04 14.01,51.04 14.52,51.54 15.12,51.54 15.84,50.82
R0: length 183.2
  Top w0.25: 35.62,81.6 33.4,83.82 25.89,83.82 23.06,80.98 23.06,75.23 20.14,72.31 14.56,72.31 13.92,71.67 13.92,59.34 14.82,58.44 16.19,58.44 ; 35.62,81.6 40.27,81.6 42.22,83.55 50.67,83.55 52.62,81.6 ; 35.62,81.6 D2.1 ; 73.99,89.02 96.28,89.02 98.56,86.74 D10.1 ; 73.99,89.02 72.62,90.4 61.42,90.4 52.62,81.6 ; 73.99,89.02 D7.1 ; D5.1 52.62,81.6 ; D12.1 120.76,77.88 118.51,80.12 105.14,80.12 98.56,86.71
  Bottom w0.25: 14.59,58.21 8.81,58.21 8.32,57.71 7.72,57.71 6.99,58.44 ; D12.1 120.76,77.88 ; D2.1 35.62,81.6 ; D7.1 73.99,89.02 ; D5.1 52.62,81.6 ; D10.1 98.56,86.74
R0S: length 75.2
  Top w0.25: 111.05,70.75 111.66,77.72 110.8,78.75 D12.2 ; D7.2 63.99,89.02 64.94,88.07 64.94,81.07 ; 26.57,73.65 26.57,80.65 25.62,81.6 D2.2 ; D5.2 42.62,81.6 43.57,80.65 43.57,73.65 ; 89.17,79.19 89.48,86.18 88.57,87.17 D10.2
  Bottom w0.25: 88.57,87.17 D10.2 ; 110.8,78.75 D12.2 ; 63.99,89.02 D7.2 ; 25.62,81.6 D2.2 ; 42.62,81.6 D5.2
R1: length 196.7
  Top w0.25: 34.24,62.52 53.15,62.52 ; 34.24,62.52 D16.1 34.24,61.32 36.12,59.45 ; 34.24,62.52 26.14,62.52 20.72,57.1 16.02,57.1 14.82,55.9 16.19,55.9 ; 53.15,62.52 56.65,62.52 64.08,69.95 71.94,69.95 D17.1 72.62,68.75 74.49,66.87 ; 53.15,62.52 53.12,62.49 53.12,59.45 ; 119.33,55.77 117.62,57.8 D18.1 ; D14.1 136.42,60.04 ; D9.1 97.82,69.75 ; D4.1 52.62,64.6
  Bottom w0.25: D17.1 72.62,68.75 74.49,66.87 75.59,67.97 96.03,67.97 97.82,69.75 ; D16.1 34.24,61.32 36.12,59.45 ; D18.1 117.62,57.8 119.33,55.77 122.11,58.54 ; 122.11,58.54 124.15,58.54 125.02,57.68 134.05,57.68 136.42,60.04 D14.1 ; 122.11,58.54 122.11,63.22 120.54,64.79 102.78,64.79 97.82,69.75 ; 53.12,59.45 53.12,64.1 ; D4.1 52.62,64.6 ; 14.59,55.67 8.81,55.67 8.32,55.17 7.72,55.17 6.99,55.9 ; 97.82,69.75 D9.1
R1S: length 99.3
  Top w0.25: 42.62,64.6 D4.2 ; 26.17,56.25 31.94,56.25 D16.2 ; 109.14,53.45 114.89,52.94 D18.2 ; D17.2 70.32,63.67 64.54,63.67 ; D14.2 137.29,70.01 136.26,69.14 129.28,69.75 ; 88.43,62.21 88.74,69.2 87.83,70.19 D9.2
  Bottom w0.25: 87.83,70.19 D9.2 ; D16.2 31.94,56.25 26.17,56.25 ; 43.57,56.65 43.57,63.65 42.62,64.6 D4.2 ; D18.2 114.89,52.94 109.14,53.45 ; D17.2 70.32,63.67 64.54,63.67 ; 137.29,70.01 D14.2
R2: length 188.5
  Top w0.25: 97.17,55.02 97.08,54.93 97.08,52.77 D8.1 ; 97.17,55.02 D6.1 ; 97.17,55.02 98.64,55.02 106.86,46.81 116.18,46.81 117.8,45.19 117.8,44.01 ; D11.1 117.8,44.01 ; 117.8,44.01 119.99,41.82 126.86,41.82 128.45,40.23 132.67,40.23 134.52,38.38 D13.1 ; 16.19,53.36 14.82,53.36 16.1,54.64 23.49,54.64 28.91,49.22 51,49.22 52.62,47.6 D3.1 ; D1.1 35.62,47.6 35.62,49.21
  Bottom w0.25: D13.1 134.52,38.38 ; D1.1 35.62,47.6 ; 14.59,53.13 8.81,53.13 8.32,52.63 7.72,52.63 6.99,53.36 ; D6.1 73.99,55.02 72.62,56.4 63.38,56.4 54.58,47.6 D3.1 ; D8.1 97.08,52.77 ; D11.1 117.8,44.01
R2S: length 90.3
  Top w0.25: D6.2 63.99,55.02 64.94,54.07 64.94,47.07 ; 127.39,48.09 134.36,47.47 135.39,48.34 D13.2 ; D11.2 107.83,44.88 108.7,43.85 108.09,36.87 ; 43.57,39.65 43.57,46.65 42.62,47.6 D3.2 ; 87.69,45.22 87.99,52.22 87.09,53.21 D8.2 ; D1.2 25.62,47.6 26.57,46.65 26.57,39.65
  Bottom w0.25: 25.62,47.6 D1.2 ; 107.83,44.88 D11.2 ; 87.09,53.21 D8.2 ; 63.99,55.02 D6.2 ; 135.39,48.34 D13.2 ; 42.62,47.6 D3.2
R3: length 96.2
  Top w0.25: 16.19,50.82 14.82,50.82 ; D19.1 7.84,15.21 9.13,17.53 ; 27.01,25.37 28.11,24.26 28.11,23.58 29.14,22.84 36.79,22.84 39.09,20.54 D15.1 ; 26.07,25.37 24.51,23.22 D20.1
  Bottom w0.25: 6.99,50.82 7.72,50.09 8.32,50.09 8.81,50.59 14.59,50.59 ; 20.26,27.63 20.26,27.59 21.2,26.65 24.79,26.65 26.07,25.37 24.51,23.22 D20.1 ; 14.82,50.82 14.82,50.25 15.59,49.48 19.5,49.48 20.21,48.76 20.21,27.63 19.23,26.65 12.89,26.65 9.13,22.89 9.13,17.53 7.84,15.21 D19.1 ; 42.42,20.3 39.07,20.54
R3S: length 51.2
  Top w0.25: D20.2 29.88,21.74 30.79,16.04 ; D19.2 13.35,14.4 14.95,8.85 ; D15.2 49.07,19.84 48.19,20.85 48.68,27.84
  Bottom w0.25: 49.05,19.84 45.71,20.07 ; 30.79,16.04 29.88,21.74 D20.2 ; 14.95,8.85 13.35,14.4 D19.2
RAW: length 15
  Top w0.25: PWR1.2 7.67,76.57 8.02,76.22 6.64,76.22
  Bottom w0.25: PWR1.2 8.05,78.21 7.67,77.83 7.67,76.57 8.02,76.22 ; 15.84,76.22 15.12,76.94 14.52,76.94 14.01,76.44 8.24,76.44
RST: length 30.7
  Top w0.25: RST1.2 v1(17.4,79) RST1.2 14.84,77.96 8.02,71.14 6.64,71.14
  Bottom w0.25: 8.24,71.36 14.01,71.36 14.52,71.86 15.12,71.86 15.84,71.14 ; RST1.2 RST1.2
SCL: length 28.9
  Top w0.25: v1(10.82,63.11) 10.65,62.94 10.65,47.41 v1(11.42,46.64) ; DISP1.16 12.32,46.64 11.74,46.64 ; 16.19,63.52 14.82,63.52
  Bottom w0.25: v1(11.42,46.64) 10.51,46.64 DISP1.26 ; 6.99,63.52 7.72,62.79 8.32,62.79 8.81,63.29 14.59,63.29
SDA: length 37.8
  Top w0.25: DISP1.17 v1(14.13,46.28) 13.02,47.39 13.02,65.37 v1(12.74,65.65) ; 16.19,66.06 14.82,66.06
  Bottom w0.25: 14.59,65.83 8.81,65.83 8.32,65.33 7.72,65.33 6.99,66.06 ; 7.68,46.28 8.67,47.27 13.14,47.27 v1(14.13,46.28)

## Copper pours and planes (outline as drawn; the poured copper is in the pictures)
GND on Top, Bottom: 3.03,81.95 2.89,81.94 2.61,81.88 2.34,81.79 2.08,81.66 1.85,81.5 1.64,81.3 1.46,81.08 1.32,80.83 1.21,80.57 1.14,80.29 1.12,80 1.12,79.86 1.12,41.85 19.72,41.85 19.84,41.85 20.07,41.89 20.29,41.96 20.5,42.07 20.69,42.2 20.86,42.37 21,42.56 21.11,42.77 21.18,43 21.22,43.23 21.22,43.35 21.22,81.95
GND on Top, Bottom: 90.46,29.84 88.98,29.88 87.5,29.87 86.02,29.82 84.54,29.74 83.06,29.62 81.59,29.46 80.13,29.26 78.67,29.02 77.21,28.74 75.77,28.43 74.33,28.07 72.9,27.68 71.48,27.26 70.08,26.79 68.68,26.29 67.3,25.76 65.94,25.18 64.59,24.57 63.26,23.93 61.94,23.25 60.64,22.54 59.37,21.79 58.11,21.01 56.87,20.2 55.65,19.36 54.46,18.48 53.29,17.57 52.72,17.11 52.67,17.07 52.56,16.99 52.51,16.96 51.2,16.14 51.13,16.1 50.11,15.52 48.06,14.39 45.99,13.3 43.9,12.25 41.8,11.22 39.67,10.24 37.54,9.29 35.38,8.37 33.21,7.49 31.03,6.65 28.83,5.84 26.62,5.07 24.4,4.34 22.17,3.64 19.92,2.98 17.66,2.36 15.4,1.78 13.12,1.23 10.84,0.72 8.55,0.25 7.4,0.03 7.26,0.01 6.99,0 6.73,0.02 6.46,0.08 6.21,0.17 5.97,0.3 5.76,0.45 5.56,0.64 5.39,0.84 5.25,1.07 5.14,1.32 5.1,1.45 0.08,18.98 0.05,19.1 0.01,19.34 0,19.58 0.01,19.7 0.16,21.47 0.42,25 0.64,28.53 0.82,32.07 0.96,35.6 1.05,39.14 1.11,42.68 1.11,44.45 1.12,44.49 1.12,79.95 1.12,80.09 1.16,80.38 1.24,80.65 1.36,80.91 1.51,81.15 1.7,81.37 1.92,81.55 2.16,81.71 2.42,81.83 2.69,81.91 2.97,81.95 3.12,81.95 20.87,81.95 20.96,81.95 21.16,81.99 21.34,82.07 21.5,82.18 21.64,82.31 21.75,82.48 21.83,82.66 21.86,82.85 21.87,82.95 21.87,85.64 21.87,85.77 21.9,86.04 21.97,86.29 22.08,86.54 22.21,86.77 22.38,86.98 22.57,87.17 22.79,87.32 23.02,87.45 23.27,87.55 23.4,87.58 24.74,87.9 27.43,88.51 30.13,89.08 32.84,89.61 35.56,90.1 38.28,90.55 41.01,90.96 43.75,91.33 46.49,91.66 49.23,91.95 51.98,92.2 54.73,92.42 57.49,92.59 60.25,92.72 63.01,92.81 65.77,92.87 68.53,92.88 71.29,92.85 74.05,92.78 76.8,92.67 79.56,92.53 82.31,92.34 85.06,92.11 87.81,91.84 90.56,91.54 93.29,91.19 96.03,90.8 98.75,90.38 101.47,89.91 104.19,89.41 106.89,88.86 109.59,88.28 112.28,87.66 114.96,87 117.63,86.3 120.29,85.56 122.94,84.78 125.58,83.97 128.2,83.11 130.82,82.22 133.41,81.29 136,80.33 138.57,79.32 139.85,78.8 139.98,78.75 140.22,78.6 140.45,78.43 140.64,78.22 140.8,77.99 140.93,77.74 141.03,77.48 141.08,77.2 141.1,76.92 141.09,76.78 137.07,30.87 137.06,30.73 137,30.47 136.9,30.21 136.77,29.97 136.6,29.75 136.41,29.55 136.2,29.38 135.96,29.24 135.7,29.14 135.44,29.07 135.16,29.04 135.03,29.04 91.26,29.81

Small or netless copper shapes (teardrops, artwork), in the pictures only: 275 on Top, 234 on Bottom

## Text on the board
F.Silkscreen: SDA
